# Altium PCB CrypTech.PcbDoc (part 5 of 6)
Units mm, origin at the board's own origin, x right, y up, seen from the top; angles counter-clockwise.
Board outline 99.5 x 122 mm, 8 copper layers (Top, Ground Plane 1, Inner Layer 1, 3V3 Plane, Power Plane, Inner Layer 2, Ground Plane 2, Bottom), stack 1.553 mm thick; 385 components, 302 nets, 2103 pads, 1544 vias.
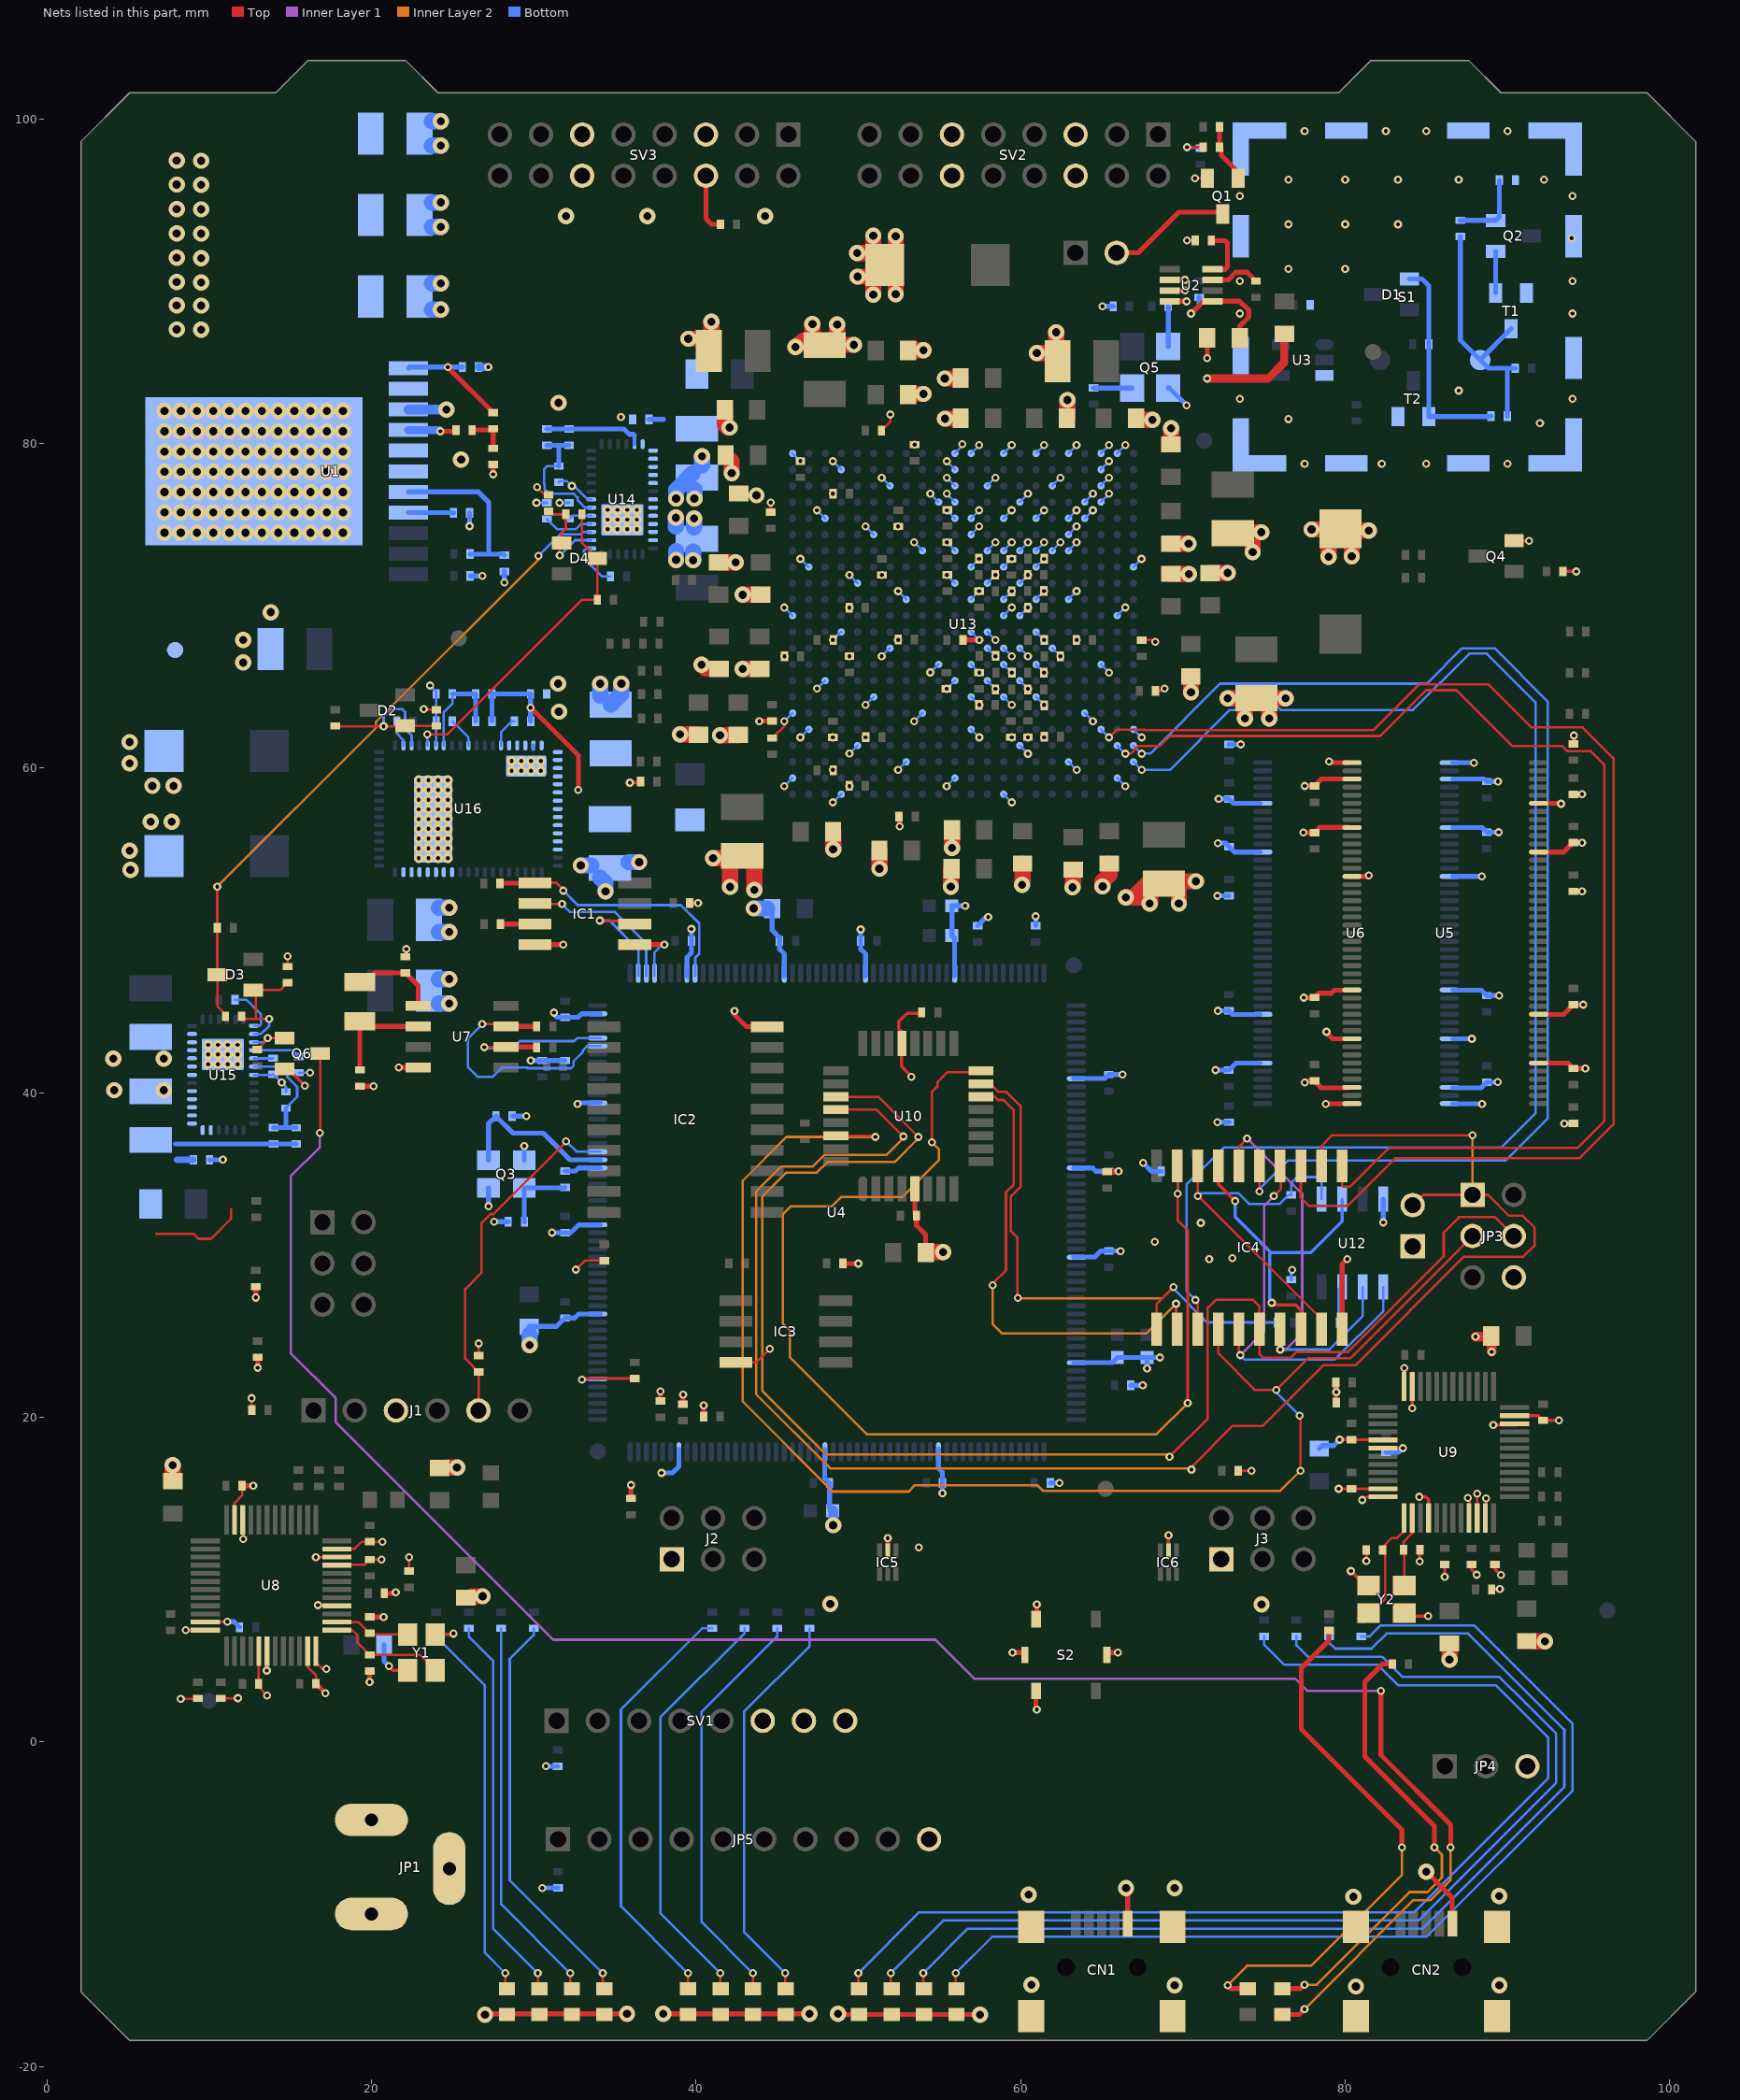
[diagram p11: the nets of this part, all layers, seen from the top]

## Via types
v1: diameter 0.5, hole 0.25, Top to Bottom, tented both sides, 1180 vias
v2: diameter 1, hole 0.5, Top to Bottom, tented both sides, 296 vias
v3: diameter 0.6, hole 0.25, Top to Bottom, tented both sides, 68 vias

## Nets (pads, with @x,y where several pads share a name; then routed paths per layer and width w, separated by ;. In a path a pad name is that pad's centre, name@x,y a point inside that pad or via, vN(x,y) a via of type N, cw(c..) or ccw(c..) an arc to the next point about the centre after c; other vN are vias at no path point) (continued)
GND: C1.2 C2.2 C3.2 C4.2 C5.2 C6.2 C7.2 C8.2 C9.2 C10.2 C12.1 C13.2 C14.1 C16.1 C17.1 C18.1 C19.2 C20.2 C21.2 C22.1 C23.1 C24.1 C25.1 C26.2 C27.2 C28.2 C29.2 C30.2 C31.2 C32.2 C33.2 C34.2 C35.2 C36.2 C37.2 C38.2 C39.2 C40.2 C41.2 C42.2 C43.2 C44.2 C45.2 C46.2 C47.2 C48.2 C49.2 C50.2 C51.2 C52.2 C53.2 C54.2 C55.2 C56.2 C57.2 C58.2 C59.2 C60.2 C61.2 C62.2 C63.2 C64.2 C65.2 C66.2 C67.2 C68.2 C69.2 C70.1 C71.1 C72.2 C73.2 C74.2 C75.1 C76.2 C77.2 C78.1 C79.2 C80.2 C81.2 C82.2 C83.2 C84.2 C85.2 C86.2 C87.2 C88.2 C89.2 C90.1 C91.2 C92.2 C93.1 C94.2 C95.2 C96.2 C97.2 C98.2 C99.2 C100.2 C101.2 C102.2 C103.2 C104.2 C105.2 C106.2 C107.2 C108.2 C109.2 C110.2 C111.2 C112.2 C113.2 C114.2 C115.2 C116.2 C119.2 C120.2 C121.2 C122.2 C123.2 C124.2 C125.2 C126.2 C127.2 C128.2 C129.2 C130.2 C131.2 C132.2 C133.2 C134.2 C135.2 C136.2 C137.2 C138.2 C139.2 C140.2 C141.2 C142.2 C143.2 C144.2 C145.2 C146.2 C147.2 C148.2 C149.2 C150.2 C151.2 C152.2 C153.2 C154.2 C155.2 C156.2 C157.2 C158.2 C159.2 C160.2 C161.2 C162.2 C163.2 C164.2 C165.2 C166.2 C167.2 C168.2 C169.2 C170.2 C171.2 C172.2 C173.2 C174.2 C175.2 C176.2 C177.2 C178.2 C179.2 C180.2 C181.2 C182.2 C183.2 C184.2 C185.2 C186.2 C187.2 C188.2 C189.2 C190.2 C191.2 C192.2 C193.2 C194.2 C195.2 C196.2 C197.2 C198.2 C199.2 C200.2 C201.2 C202.2 C203.2 C204.2 C205.2 C206.2 C207.2 C209.2 C210.2 C211.2 C212.2 C213.2 C214.2 C215.2 CN1.GND CN2.GND IC1.4 IC2.10 IC3.4 IC4.10 IC5.2 IC6.2 J1.3 J2.1 J3.1 JP1.2 JP1.3 JP3.6 JP4.3 JP5.10 JP6.1 LED1.2 LED2.2 LED3.2 LED4.2 LED9.2 LED10.2 LED11.2 LED12.2 LED14.2 LED15.2 LED16.2 LED17.2 pad.@7.901,67.272 Q1.2 Q3.2 Q3.4 Q4.2 Q5.2 Q6.2 R2.1 R6.2 R9.1 R15.1 R22.2 R26.2 R35.1 R36.1 R42.1 R47.2 R50.1 R53.1 R55.1 R57.1 R59.1 R60.1 R61.1 R69.1 R70.1 R81.2 S1.1 S2.B1 S2.B2 S2.G1 S2.G2 SV1.6 SV1.7 SV1.8 SV2.5 SV2.6 SV2.11 SV2.12 SV3.5 SV3.6 SV3.11 SV3.12 T1.2 T2.2 U1.3 U1.5 U1.6 U1.TP1 U2.2 U2.3 U2.4 U3.3 U4.14 U4.25 U4.40 U4.51 U4.60 U4.72 U4.82 U4.93 U4.114 U4.125 U4.136 U4.149 U4.170 U4.184 U4.202 U5.6 U5.12 U5.32 U5.38 U5.44 U5.46 U5.52 U5.58 U5.72 U5.78 U5.84 U5.86 U6.6 U6.12 U6.32 U6.38 U6.44 U6.46 U6.52 U6.58 U6.72 U6.78 U6.84 U6.86 U7.4 U8.4 U8.9 U8.10 U8.11 U8.22 U8.23 U8.35 U8.36 U8.41 U8.42 U8.47 U8.48 U9.4 U9.9 U9.10 U9.11 U9.22 U9.23 U9.35 U9.36 U9.41 U9.42 U9.47 U9.48 U10.5 U10.21 U12.4 U13.A2 U13.A3 U13.A5 U13.A7 U13.A9 U13.A11 U13.A12 U13.A22 U13.AA2 U13.AA12 U13.AA22 U13.AB9 U13.AB19 U13.B3 U13.B12 U13.B19 U13.C3 U13.C6 U13.C10 U13.C12 U13.C16 U13.D3 U13.D4 U13.D8 U13.D12 U13.D13 U13.E4 U13.E5 U13.E7 U13.E9 U13.E11 U13.E12 U13.E20 U13.F5 U13.F11 U13.F17 U13.G5 U13.G6 U13.G7 U13.G8 U13.G9 U13.G10 U13.G12 U13.G14 U13.H1 U13.H7 U13.H9 U13.H11 U13.H21 U13.J8 U13.J10 U13.J12 U13.J18 U13.K5 U13.K7 U13.K9 U13.K11 U13.K15 U13.L2 U13.L8 U13.L9 U13.L22 U13.M7 U13.M10 U13.M11 U13.M19 U13.N6 U13.N8 U13.N9 U13.N10 U13.N16 U13.P3 U13.P7 U13.P9 U13.P11 U13.P13 U13.R8 U13.R10 U13.R12 U13.R20 U13.T7 U13.T9 U13.T11 U13.T17 U13.U4 U13.U14 U13.V1 U13.V11 U13.V21 U13.W8 U13.W18 U13.Y5 U13.Y15 U14.13 U14.14 U14.15 U14.16 U14.17 U14.18 U14.32 U14.PAD39 U15.13 U15.14 U15.15 U15.16 U15.17 U15.18 U15.32 U15.PAD39 U16.1 U16.2 U16.3 U16.4 U16.27 U16.28 U16.29 U16.30 U16.31 U16.32 U16.33 U16.55 U16.64 U16.65 U16.66 U16.67 U16.68 U16.PAD69 U16.PAD70 Y1.2 Y1.4 Y2.2 Y2.4 | length 481.2
  Top w0.15: 6.755,31.295 9.055,31.295 9.35,31 10.125,31 11.35,32.225 11.35,32.825 ; v1(8.25,2.654) 9.267,2.654 C76.2@9.297,2.684 ; v1(8.564,6.886) U8.36@9.551,6.886 ; U8.35@9.551,7.386 9.565,7.4 v1(11.125,7.4) ; C74.2@10.72,2.684 10.728,2.693 v1(11.772,2.693) ; U8.23@11.558,13.903 11.558,14.708 12.033,15.183 C86.2@12.033,15.783 ; U8.22@12.066,13.903 12.101,13.869 v1(12.101,12.501) ; C19.2@12.625,20.45 v1(12.625,21.175) ; U8.41@13.057,5.386 13.049,5.378 C83.2@13.049,3.565 13.049,3.376 v1(13.575,2.85) ; C212.2@14.834,47.769 v1(14.834,48.409) ; U8.47@16.069,5.386 16.069,4.631 16.579,4.121 C84.2@16.579,3.591 ; U8.48@16.569,5.386 16.569,4.906 16.975,4.5 v1(17.225,4.5) ; v1(16.579,11.375) 18.055,11.375 U8.10@18.069,11.389 ; v1(16.7,8.425) 18.03,8.425 U8.4@18.069,8.386 ; U8.9@18.069,10.906 19.567,10.906 C81.2@19.889,11.228 v1@20.797,11.228 ; U8.11@18.069,11.897 18.972,11.897 19.411,12.336 C85.2@19.889,12.336 v1(20.686,12.336) ; C70.1@22.1,48.375 22.15,48.425 v1@22.15,49.025 ; C79.2@22.325,10.525 v1(22.325,11.375) ; v1(23.225,63.625) 23.256,63.594 C211.2@24.003,63.594 ; C20.2@26.6,23.8 v1(26.6,24.55) ; v2(27,-16.8) v2@27.05,-16.75 ; v1(30.2,77.3) 30.673,76.827 C213.2@30.912,76.827 ; v1(32.6,29.1) 33.148,29.648 C110.2@34.352,29.648 ; IC3.4@42.463,23.378 43.703,23.378 v1(44.55,24.225) ; C198.2@51.427,80.797 51.975,81.345 51.975,81.782 v1(51.971,81.786) ; v1@57.444,67.894 v1(57.453,67.885) ; S2.G2@60.126,5.5 S2.G2@60.265,5.361 ; v1@60.946,2.054 v1(61,2) ; C202.2@67.462,67.886 v1@68.111,67.886 ; C190.2@68.318,64.745 68.72,64.745 v1(68.875,64.9) ; v1(70.25,92.5) C12.1@70.75,92.5 ; v1(70.25,98.25) R6.2@71.25,98.25 ; v1@70.589,96.339 Q1.2@71.502,96.339 ; C215.2@73.4,16.7 v1(74.225,16.7) ; v1(79.6,15.597) C98.2@80.391,15.597 82.133,15.597 U9.47@82.135,15.6 ; C101.2@80.391,18.62 82.127,18.62 U9.41@82.135,18.612 ; v1(81.05,14.9) 81.25,15.1 U9.48@82.135,15.1 ; U9.42@82.135,18.104 v1(83.546,18.104) ; v1(87.55,15.025) 87.655,14.92 U9.9@87.655,13.6 ; v1(88.135,15.286) 88.138,15.284 U9.10@88.138,13.6 ; U9.11@88.646,13.6 88.679,13.633 v1(88.679,15.001)
  Top w0.2: v1(13.55,4.4) 13.565,4.415 U8.42@13.565,5.386 ; Q6.2@14.64,41.461 14.867,41.461 v1(15.901,40.427) ; v1(21.076,4.675) 21.076,4.639 21.307,4.408 Y1.2@22.237,4.408 ; Y1.4@23.939,6.618 25.048,6.618 25.051,6.621 v1(25.051,6.675) ; v1(35.925,59.1) 36.515,59.1 R36.1@36.591,59.176 ; C204.2@44.602,75.862 v1(44.602,76.352) ; v1@53.275,41 52.677,41.598 52.677,43.773 52.5,43.95 52.5,44.382 53.018,44.9 53.904,44.9 C103.2@53.904,44.951 ; IC6.2@69.113,11.799 v1(69.113,12.737) ; v1(79.655,18.62) C101.2@80.391,18.62 ; v1(80.35,10.525) 81.237,9.638 Y2.2@81.433,9.638 ; v1(81.3,11.15) C90.1@81.3,11.825 ; U9.36@83.635,22.117 v1(83.635,23.04) ; Y2.4@83.643,7.936 83.829,7.75 v1(85.104,7.75) ; v1(84.135,20.568) 84.135,22.054 84.104,22.086 U9.35@84.135,22.117 ; v1(84.554,15.101) 84.967,15.101 85.135,14.932 U9.4@85.135,13.8 ; v1(84.599,11.126) C93.1@84.599,11.83 ; v1(86.131,10.169) C94.2@86.131,10.923 ; C96.2@87.782,10.923 87.782,10.618 v1(88.1,10.3) ; R26.2@89.025,9.4 89.05,9.425 v1@89.65,9.425 ; v1(89.125,19.525) 90.575,19.525 U9.22@90.653,19.602 ; C99.2@89.23,10.923 89.23,10.645 v1(89.6,10.275) ; Q4.2@90.406,74 v1(91.325,74) ; U9.23@90.653,20.11 91.905,20.11 C100.2@92.202,19.813 v1(93.163,19.813) ; R42.1@93.413,72.111 v1(94.239,72.111)
  Top w0.3: C86.2@12.033,15.783 v1(12.717,15.783) ; v1(12.875,27.375) R47.2@12.875,28.05 ; v1(13,23.05) R50.1@13,23.7 ; C84.2@16.579,3.591 v1(17.17,3) ; C71.1@19.3,40.4 v1(20.125,40.4) ; v1(19.889,3.689) C75.1@19.889,4.361 ; C78.1@19.889,7.698 v1(20.75,7.698) ; R22.2@20.796,9.153 21.428,9.153 v1(21.5,9.225) ; v1(21.68,41.545) U7.4@22.882,41.545 ; v2@27.05,-16.75 v2(35.75,-16.75) ; v1(27.5,78.1) R2.1@27.5,78.7 ; IC1.4@30.082,49.123 v1(31.823,49.123) ; C214.2@36,15 v1(36,15.825) ; C35.2@37.8,21 v1(37.8,21.6) ; v2(37.982,-16.75) v2(47,-16.75) ; C37.2@39.2,20.8 v1(39.2,21.4) ; C69.2@39.6,51.675 v1(40.125,51.675) ; R15.1@40.47,20.041 v1(40.47,20.73) ; SV3.6@40.609,96.495 40.609,93.841 40.95,93.5 C122.2@41.5,93.5 ; v1(42.375,45.025) 42.375,44.8 43.108,44.067 IC2.10@44.385,44.067 ; v1(43.9,62.875) 43.923,62.898 C187.2@44.679,62.898 ; v2@48.8,-16.8 LED17.2@50.05,-16.8 LED14.2@52.05,-16.8 LED16.2@54.05,-16.8 LED15.2@56.05,-16.8 v2(57.5,-16.8) ; C112.2@49.05,29.475 v1(50,29.475) ; IC5.2@51.816,11.799 v1(51.816,12.559) ; C188.2@52.51,56.998 52.55,56.957 v1(52.55,56.4) ; U10.5@53.49,34.308 53.49,32.522 C104.2@53.583,32.429 53.583,31.817 54.153,31.247 C102.2@54.153,30.148 ; C109.2@56.456,67.894 v1@57.444,67.894 ; v1(59.5,5.5) S2.G2@60.126,5.5 ; v1@60.946,2.054 S2.B1@60.946,3.151 ; S2.B2@61,7.615 v1(61,8.475) ; C106.2@65.325,35.125 66.002,35.125 v1(66.038,35.162) ; S2.G1@65.456,5.5 v1(66,5.5) ; v2(66.5,-9) 66.6,-9.1 CN1.GND@66.6,-11.2 ; U2.4@69.2,88.759 v1@70.191,88.759 ; U2.3@69.2,89.42 v1(70.145,89.42) ; U2.2@69.2,90.075 v1(70.125,90.075) ; v1(71.5,85.25) C7.2@71.5,86.5 ; v1(77.424,56.024) C52.2@78.105,56.024 78.431,56.35 80.203,56.35 U5.52@80.227,56.326 ; v1(77.454,45.852) 78.093,45.852 C56.2@78.105,45.864 78.368,46.127 79.132,46.127 79.326,46.321 U5.72@80.227,46.321 ; v1(77.504,40.627) 77.604,40.727 C48.2@78.105,40.727 78.531,40.301 U5.84@80.227,40.301 ; v1(77.505,58.895) C50.2@78.105,58.895 78.537,59.326 U5.46@80.227,59.326 ; v1(78.811,39.311) U5.86@80.227,39.311 ; v1@78.82,43.72 79.216,43.324 U5.78@80.227,43.324 ; v1(79,60.4) 79.074,60.326 U5.44@80.227,60.326 ; C91.2@79.425,22.15 79.425,20.932 C89.2@79.459,20.898 ; IC4.10@79.807,25.435 79.807,29.432 v1(80.125,29.75) ; U5.58@80.227,53.326 81.401,53.326 v1(81.45,53.375) ; v2(85,-8) 86.6,-9.6 CN2.GND@86.6,-11.2 ; U5.6@92.1,41.825 93.726,41.825 C54.2@94.056,41.496 v1(94.796,41.496) ; U5.12@92.1,44.823 93.456,44.823 C51.2@94.056,45.423 v1@94.577,45.423 ; U5.32@92.1,54.826 93.477,54.826 C49.2@94.056,55.405 94.595,55.405 v1(94.6,55.4) ; U5.38@92.1,57.826 93.274,57.826 v1(93.3,57.8) ; v1(93.5,38.1) 94.048,38.1 C47.2@94.056,38.108 ; C57.2@94.056,52.408 94.592,52.408 v1(94.6,52.4) ; C55.2@94.056,58.377 94.577,58.377 v1(94.6,58.4) ; C53.2@94.056,61.493 94.1,61.537 v1(94.1,62)
  Top w0.5: v1(71.5,84) 75.25,84 76.25,85 C13.2@76.25,86.75
  Top w0.6: v1(88.032,24.968) C97.2@88.934,24.968 ; v1(89.032,24.032) C97.2@89.032,24.934
  Top w1: C82.2@7.75,16.411 v2(7.75,17.05) ; C80.2@24.636,16.9 v2(25.275,16.9) ; C77.2@26.211,8.975 v2(26.85,8.975) ; v2(39.025,62.075) C172.2@40.157,62.075 ; v2(39.525,86.45) C166.2@40.95,86.45 ; v2(40.35,66.375) 40.6,66.125 C148.2@41.2,66.125 ; C166.2@40.95,86.075 v2(40.95,87.5) ; v2(41.05,54.45) C133.2@42.475,54.45 ; C160.2@41.396,72.675 v2(42.45,72.675) ; v2(41.475,62.025) C173.2@42.596,62.025 ; C170.2@41.774,82.067 41.774,81.151 v2@41.95,80.975 ; C171.2@41.824,79.273 42.2,78.898 v2(42.2,78.175) ; C133.2@42.075,54.475 42.1,54.45 v2(42.1,52.675) ; v2(42.875,66.1) C145.2@43.929,66.1 ; v2(42.875,70.675) C136.2@43.929,70.675 ; v2(43.594,52.492) 43.594,54.494 C133.2@43.6,54.5 ; v2(46.125,85.95) 46.662,86.35 47.175,86.275 v2(47.175,87.35) ; C126.2@48.3,86.075 v2(49.725,86.075) ; v2(48.45,55) C180.2@48.45,56.083 ; C126.2@48.7,85.9 v2(48.7,87.325) ; v2(49.925,91.725) C127.2@51.35,91.725 ; v2(49.95,90.275) C127.2@51.375,90.275 ; v2(50.925,89.175) C127.2@50.925,90.6 ; C127.2@50.925,91.375 v2(50.925,92.8) ; v2(51.3,53.8) C174.2@51.3,54.915 ; v2(52.3,89.2) C127.2@52.3,90.625 ; C127.2@52.3,91.35 v2(52.3,92.775) ; C132.2@53.07,83.05 v2(54.025,83.05) ; C139.2@53.07,85.75 v2(54.025,85.75) ; C102.2@54.586,30.175 v2(55.225,30.175) ; v2(55.325,84) C152.2@56.302,84 ; v2(55.35,81.525) C157.2@56.302,81.525 ; v2(55.7,52.7) C156.2@55.7,53.797 ; v2(55.775,55.075) C161.2@55.775,56.185 ; v2@60.125,53.1 C141.2@60.125,54.118 ; v2(61,85.575) C165.2@62.425,85.575 ; C165.2@62.2,85.425 v2(62.2,86.85) ; C140.2@62.875,81.559 v2(62.875,82.675) ; v2@63.225,52.725 C169.2@63.225,53.743 ; v2(65.053,52.703) 65.053,53.003 65.475,53.425 C176.2@65.475,54.118 ; v2(66.478,52.028) 67.422,52.028 67.187,52.262 67.975,53.05 v2@67.975,51.65 ; C177.2@67.116,81.45 v2(68.125,81.45) ; C167.2@69.2,53 C167.2@69.6,52.6 ; C149.2@69.266,71.95 v2(70.375,71.95) ; C179.2@69.266,73.825 v2(70.35,73.825) ; C175.2@69.275,79.943 v2(69.275,80.925) ; C167.2@69.7,53.025 v2(70.8,53.025) ; v2(69.75,51.65) C167.2@69.75,53.075 ; v2(70.5,64.675) C153.2@70.5,65.65 ; C144.2@71.679,72.025 v2(72.75,72.025) ; v2(72.75,64.3) C137.2@74.175,64.3 ; C168.2@73.4,74.525 v2(74.825,74.525) ; v2(73.825,63.05) C137.2@73.825,64.475 ; C168.2@73.875,74.575 74.3,74.15 v2(74.3,73.3) ; C137.2@74.9,64.3 v2(76.325,64.3) ; v2(75.325,63.05) C137.2@75.325,64.475 ; v2(77.925,74.7) C123.2@79.35,74.7 ; v2(78.975,73.025) C123.2@78.975,74.45 ; C123.2@80.025,74.625 v2(81.45,74.625) ; v2(80.4,73.05) C123.2@80.4,74.475 ; v2(86.425,5.075) C92.2@86.425,5.714 ; C95.2@91.661,6.2 v2(92.3,6.2)
  Inner Layer 1 w0.2: v1@85.104,7.733 v1(85.104,7.75)
  Bottom w0.15: U15.32@12.751,41.097 13.922,41.097 C116.2@13.95,41.125 14.732,40.343 R59.1@14.732,40.048 ; R55.1@15.519,41.232 v1(16.218,41.232) ; v1(23.618,65.082) 23.986,64.714 R69.1@23.986,64.567 23.986,63.1 23.978,63.092 U16.55@23.978,61.392 ; v1(30.169,76.344) R53.1@30.81,76.344 ; R57.1@31.547,77.605 31.617,77.675 32.05,77.675 v1(32.35,77.375) 32.505,77.375 33.325,76.556 U14.32@33.553,76.556 ; v1(31.581,76.344) C115.2@32.182,76.344 ; v1(45.442,58.89) U13.AA22@45.938,59.385 ; v1(45.442,69.888) U13.L22@45.938,69.393 ; U13.A22@45.938,79.4 46.428,78.91 v1(46.431,78.91) ; v1(46.433,61.89) U13.V21@46.928,62.385 ; v1(46.433,72.885) U13.H21@46.928,72.39 ; v1(47.449,64.889) U13.R20@47.944,65.385 ; v1(47.449,75.882) U13.E20@47.944,75.387 ; v1(48.44,57.89) U13.AB19@48.935,58.385 ; v1(48.44,67.89) U13.M19@48.935,68.385 ; v1(48.44,78.905) U13.B19@48.935,78.41 ; v1(49.456,60.889) U13.W18@49.951,61.385 ; v1(49.456,71.895) U13.J18@49.951,71.399 ; v1(50.446,63.889) U13.T17@50.942,64.385 ; v1(50.446,74.892) U13.F17@50.942,74.397 ; v1(51.437,66.89) U13.N16@51.932,67.385 ; v1(51.437,77.889) U13.C16@51.932,77.394 ; v1(52.453,59.889) U13.Y15@52.948,60.385 ; v1(52.453,70.904) U13.K15@52.948,70.409 ; v1(53.443,62.89) U13.U14@53.939,63.385 ; v1(53.443,73.901) U13.G14@53.939,73.406 ; v1(54.434,65.889) U13.P13@54.929,66.385 ; v1(54.434,76.898) U13.D13@54.929,76.403 ; v1(55.445,58.885) U13.AA12@55.945,59.385 ; v1(55.445,64.885) U13.R12@55.945,65.385 ; v1(55.45,71.895) U13.J12@55.945,71.399 ; v1(55.45,73.901) U13.G12@55.945,73.406 ; v1(55.45,75.882) U13.E12@55.945,75.387 ; v1(55.45,76.898) U13.D12@55.945,76.403 ; v1(55.45,77.889) U13.C12@55.945,77.394 ; v1(55.45,78.905) U13.B12@55.945,78.41 ; U13.A12@55.945,79.4 56.413,79.868 v1(56.413,79.959) ; U13.V11@56.953,62.385 v1(57.453,61.885) ; U13.T11@56.953,64.385 v1(57.453,63.885) ; U13.P11@56.953,66.385 v1(57.453,65.885) ; U13.M11@56.953,68.385 v1(57.453,67.885) ; U13.K11@56.953,70.409 v1(57.449,70.904) ; U13.H11@56.953,72.39 v1(57.449,72.885) ; U13.F11@56.953,74.397 v1(57.449,74.892) ; U13.E11@56.953,75.387 v1(57.449,75.882) ; U13.A11@56.953,79.4 v1(57.449,79.896) ; U13.R10@57.953,65.385 v1(58.453,64.885) ; U13.N10@57.953,67.385 v1(58.453,66.885) ; U13.M10@57.953,68.385 v1(58.453,67.885) ; U13.J10@57.953,71.399 v1(58.449,71.895) ; U13.G10@57.953,73.406 v1(58.449,73.901) ; U13.C10@57.953,77.394 v1(58.449,77.889) ; U13.AB9@58.953,58.385 v1(59.453,57.885) ; U13.T9@58.953,64.385 v1(59.453,63.885) ; U13.P9@58.953,66.385 v1(59.453,65.885) ; U13.N9@58.953,67.385 v1(59.453,66.885) ; U13.L9@58.953,69.393 v1(59.453,69.893) ; U13.K9@58.953,70.409 v1(59.449,70.904) ; U13.H9@58.953,72.39 v1(59.449,72.885) ; U13.G9@58.953,73.406 v1(59.449,73.901) ; U13.E9@58.953,75.387 v1(59.449,75.882) ; U13.A9@58.953,79.4 v1(59.449,79.896) ; U13.W8@59.953,61.385 v1(60.453,60.885) ; U13.R8@59.953,65.385 v1(60.453,64.885) ; U13.N8@59.953,67.385 v1(60.453,66.885) ; U13.L8@59.953,69.393 v1(60.453,69.893) ; U13.J8@59.953,71.399 v1(60.449,71.895) ; U13.G8@59.953,73.406 v1(60.449,73.901) ; U13.D8@59.953,76.403 v1(60.449,76.898) ; U13.T7@60.953,64.385 v1(61.453,63.885) ; U13.P7@60.953,66.385 v1(61.453,65.885) ; U13.M7@60.953,68.385 v1(61.453,67.885) ; U13.K7@60.953,70.409 v1(61.449,70.904) ; U13.H7@60.953,72.39 v1(61.449,72.885) ; U13.G7@60.953,73.406 v1(61.449,73.901) ; U13.E7@60.953,75.387 v1(61.449,75.882) ; U13.A7@60.953,79.4 v1(61.449,79.896) ; U13.N6@61.953,67.385 v1(62.453,66.885) ; U13.G6@61.953,73.406 v1(62.449,73.901) ; U13.C6@61.953,77.394 v1(62.449,77.889) ; U13.Y5@62.953,60.385 v1(63.453,59.885) ; U13.K5@62.953,70.409 v1(63.449,70.904) ; U13.G5@62.953,73.406 v1(63.449,73.901) ; U13.F5@62.953,74.397 v1(63.449,74.892) ; U13.E5@62.953,75.387 v1(63.449,75.882) ; U13.A5@62.953,79.4 v1(63.449,79.896) ; U13.U4@63.953,63.385 v1(64.453,62.885) ; U13.E4@63.953,75.387 v1(64.449,75.882) ; U13.D4@63.953,76.403 v1(64.449,76.898) ; U13.P3@64.953,66.385 v1(65.453,65.885) ; U13.D3@64.953,76.403 v1(65.449,76.898) ; U13.C3@64.953,77.394 v1(65.449,77.889) ; U13.B3@64.953,78.41 v1(65.449,78.905) ; U13.A3@64.953,79.4 v1(65.449,79.896) ; U13.AA2@65.953,59.385 v1(66.453,58.885) ; U13.L2@65.953,69.393 v1(66.453,69.893) ; U13.A2@65.953,79.4 v1(66.449,79.896) ; U13.V1@66.953,62.385 v1(67.453,61.885) ; U13.H1@66.953,72.39 v1(67.449,72.885) ; v1(70.25,98.25) 70.3,98.2 C121.2@71.075,98.2
  Bottom w0.2: C107.2@76.683,28.475 v1@76.683,29.075
  Bottom w0.254: U16.67@29.984,61.184 U16.67@29.984,61.392
  Bottom w0.3: R61.1@10.025,35.865 10.84,35.865 v1(10.85,35.875) ; v1(11.125,7.4) 11.538,7.4 C73.2@11.872,7.066 ; C72.2@20.776,5.961 20.776,4.975 v1(21.076,4.675) ; v1(26.05,74.9) C5.2@26.05,75.725 ; C6.2@26.078,71.831 v1(26.831,71.831) ; v1(27.208,33.008) Q3.2@27.208,34.137 ; v1(27.55,32.05) C17.1@28.425,32.05 ; v1(28.194,71.431) R9.1@28.194,72.119 ; C18.1@28.675,38.55 v1(29.55,38.55) ; Q3.4@29.418,35.839 v1(29.418,36.718) ; C26.2@29.718,25.568 29.75,25.6 31.409,25.6 C32.2@31.928,26.119 32.519,26.119 32.765,26.365 U4.14@34.112,26.365 ; v1(29.822,41.978) C33.2@30.531,41.978 C41.2@31.928,41.978 ; v1(30.531,-9) C105.2@31.5,-9 ; v1(30.75,-1.5) C108.2@31.484,-1.5 ; v1(31.123,31.377) C46.2@31.928,31.377 32.277,31.377 32.752,31.852 U4.25@34.112,31.852 ; v1@31.236,44.836 31.436,44.636 C40.2@31.928,44.636 32.736,44.636 32.956,44.856 U4.51@34.112,44.856 ; v1@32.7,39.314 32.756,39.37 U4.40@34.112,39.37 ; v1(37.875,16.575) 38.55,16.575 38.938,16.963 U4.202@38.938,18.034 ; U4.60@39.446,47.193 39.446,48.346 39.718,48.618 C43.2@39.718,49.352 v1(39.718,50.082) ; C27.2@44.695,51.333 44.695,50.005 45.144,49.556 C44.2@45.144,49.352 45.144,48.856 45.441,48.559 U4.72@45.441,47.193 ; U4.184@47.93,18.034 47.93,16.248 C38.2@48.227,15.951 48.227,14.449 C21.2@48.427,14.249 ; v1(50.148,50.052) C28.2@50.148,49.352 50.148,48.852 50.444,48.556 U4.82@50.444,47.193 ; U4.170@54.94,18.034 54.94,16.86 55.186,16.614 C39.2@55.186,15.951 v1@55.186,15.214 ; U4.93@55.931,47.193 55.931,49.519 C23.1@55.767,49.682 C22.1@55.767,51.511 v1(56.589,51.511) ; C30.2@57.353,50.284 57.894,50.825 v1(58,50.825) ; C34.2@60.935,50.284 v1(60.935,50.865) ; C31.2@61.841,15.951 v1(62.4,15.951) ; U4.149@63.271,23.368 65.648,23.368 C24.1@65.964,23.684 C25.1@67.793,23.684 ; U4.136@63.271,29.87 64.57,29.87 64.943,30.243 C36.2@65.43,30.243 v1(66.157,30.243) ; U4.125@63.271,35.357 64.443,35.357 64.638,35.162 C29.2@65.43,35.162 v1(66.038,35.162) ; U4.114@63.271,40.869 65.184,40.869 C45.2@65.43,41.115 v1(66.285,41.115) ; v1(65.043,88.443) C111.2@65.7,88.443 ; C42.2@66.794,21.971 v1(67.529,21.971) ; v1(67.55,35.675) 68.075,35.15 R81.2@68.675,35.15 ; v1(67.793,23.007) C25.1@67.793,23.684 ; v1(68.584,23.684) C25.1@67.793,23.684 ; Q5.2@69.101,83.414 69.161,83.414 v1(70.225,82.35) ; v1(72.008,41.392) 72.847,41.392 73.28,41.825 U6.6@74.74,41.825 ; v1(72.117,38.183) C59.2@72.847,38.183 ; v1(72.129,52.129) C62.2@72.847,52.129 ; v1(72.15,55.375) 72.624,55.375 C68.2@72.847,55.151 73.172,54.826 U6.32@74.74,54.826 ; v1(72.158,45.042) C66.2@72.847,45.042 73.067,44.823 U6.12@74.74,44.823 ; v1(72.202,58.098) C64.2@72.847,58.098 73.119,57.826 U6.38@74.74,57.826 ; C60.2@72.847,61.457 v1(73.557,61.457) ; C87.2@78.404,18.071 78.595,18.262 79.298,18.262 v1(79.655,18.62) ; v1(82.347,32.003) U12.4@82.347,33.436 ; C88.2@82.508,17.835 83.278,17.835 v1(83.546,18.104) ; U6.86@86.614,39.311 v1(88.439,39.311) ; U6.84@86.614,40.301 88.376,40.301 C63.2@88.722,40.648 v1(89.398,40.648) ; U6.78@86.614,43.324 v1(87.8,43.324) ; U6.72@86.614,46.321 88.388,46.321 C67.2@88.722,45.987 v1(89.487,45.987) ; U6.58@86.614,53.326 v1(88.424,53.326) ; U6.52@86.614,56.326 88.442,56.326 C65.2@88.722,56.046 v1(89.454,56.046) ; U6.46@86.614,59.326 88.562,59.326 C61.2@88.722,59.166 v1(89.416,59.166) ; U6.44@86.614,60.326 v1(87.924,60.326)